# KiCad board Accumulator.kicad_pcb (continued)
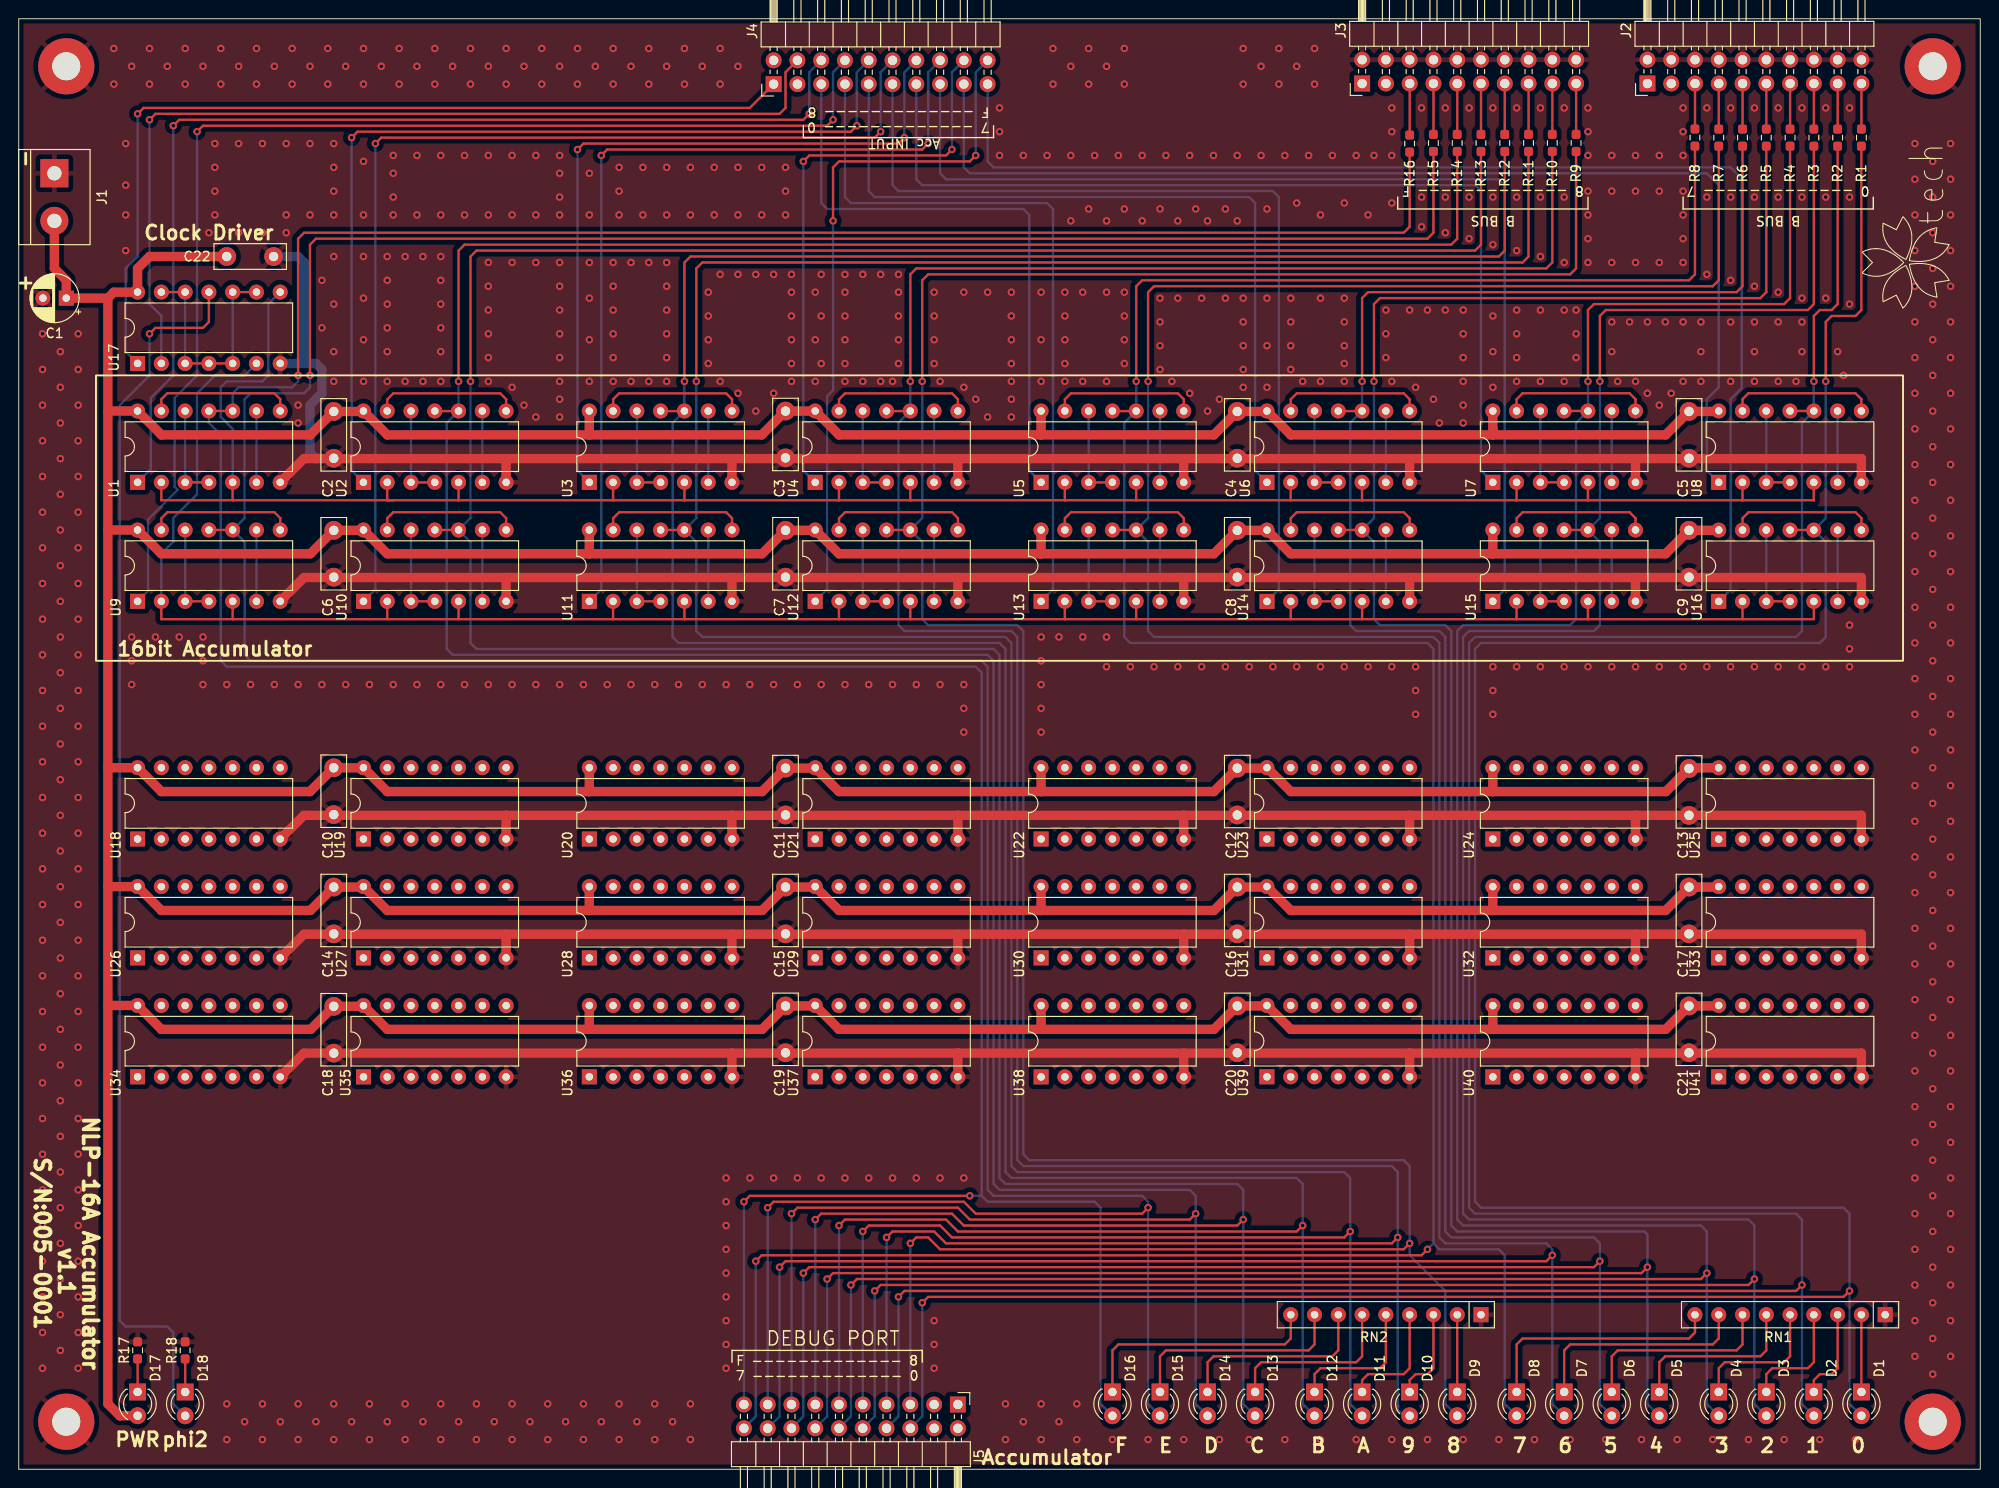
[diagram p0: board, top side]
## Routing (per net, layer and track width the routed paths; a pad name or vN(x,y) marks a point on that pad's centre or on a via; arc(x,y) is an arc through that point)
GND: length 967.3
  Top w1: 76.2,92.71 76.2,95.24 76.2,95.25 ; 148.59,57.15 148.59,57.14 U31.7 ; 148.59,57.15 172.72,57.15 ; 148.59,57.15 124.46,57.15 ; U19.7 52.06,69.84 52.07,69.85 ; 172.72,95.25 172.72,95.24 U15.7 ; 172.72,95.25 196.85,95.25 U16.7 ; 172.72,95.25 148.59,95.25 ; 52.07,57.15 76.2,57.15 ; 52.07,57.15 52.06,57.14 U27.7 ; 52.07,57.15 30.47,57.15 U26.7 ; 76.2,57.15 100.33,57.15 ; 76.2,57.15 76.2,57.14 76.2,54.62 ; U13.7 124.46,95.24 124.46,95.25 ; 76.2,95.25 100.33,95.25 ; 76.2,95.25 52.07,95.25 ; 100.33,95.25 124.46,95.25 ; 100.33,95.25 100.32,95.24 100.32,92.71 ; U6.7 148.59,107.94 148.59,107.95 ; 124.46,69.85 124.46,69.84 U22.7 ; 124.46,69.85 100.33,69.85 ; 124.46,69.85 148.59,69.85 ; 124.46,107.95 124.46,107.94 U5.7 ; 124.46,107.95 100.33,107.95 ; 124.46,107.95 148.59,107.95 ; U40.7 172.72,44.45 ; 172.72,44.45 196.85,44.45 196.84,44.44 U41.7 ; 172.72,44.45 148.59,44.45 ; 52.07,95.25 30.47,95.25 U9.7 ; 52.07,95.25 U10.7 ; 172.72,107.95 196.85,107.95 196.84,107.94 U8.7 ; 172.72,107.95 148.59,107.95 ; 172.72,107.95 172.72,107.94 U7.7 ; 100.33,107.95 100.32,107.94 100.32,105.42 ; 100.33,107.95 76.2,107.95 ; 52.07,69.85 76.2,69.85 ; 52.07,69.85 30.47,69.85 U18.7 ; 76.2,69.85 100.33,69.85 ; 76.2,69.85 76.2,69.84 76.2,67.32 ; 124.46,44.45 148.59,44.45 ; 124.46,44.45 100.33,44.45 ; 124.46,44.45 U38.7 ; 148.59,44.45 148.59,44.44 U39.7 ; 148.59,95.25 U14.7 ; 148.59,95.25 124.46,95.25 ; 76.2,44.45 100.33,44.45 ; 76.2,44.45 76.2,44.44 76.2,41.92 ; 76.2,44.45 30.47,44.45 U34.7 ; 100.33,44.45 100.32,44.44 100.32,41.92 ; 148.59,69.85 172.72,69.85 ; 148.59,69.85 148.59,69.84 U23.7 ; 172.72,69.85 196.85,69.85 196.84,69.84 U25.7 ; 172.72,69.85 172.72,69.21 172.72,69.21 U24.7 ; U30.7 124.46,57.14 124.46,57.15 ; 100.33,57.15 124.46,57.15 ; 100.33,57.15 100.32,57.14 100.32,54.62 ; 100.33,69.85 U21.7 ; 52.07,107.95 76.2,107.95 ; 52.07,107.95 30.47,107.95 U1.7 ; 52.07,107.95 52.06,107.94 U2.7 ; 76.2,107.95 76.2,107.94 76.2,105.42 ; 172.72,57.15 172.72,57.14 U32.7 ; 172.72,57.15 196.85,57.15 196.84,57.14 U33.7
  Bottom w1: U17.7 30.49,118.12 ; 30.49,118.12 31.74,118.12 32.39,117.47 32.39,114.93 31.11,113.66 31.11,108.58 31.75,107.95 31.79,107.99 C2.2 ; 30.49,118.12 30.49,128.89 29.84,129.54 C22.2
  vias: v1(2.54,121.28) v1(2.54,117.47) v1(2.54,113.66) v1(2.54,109.85) v1(2.54,106.04) v1(2.54,102.23) v1(2.54,98.42) v1(2.54,94.61) v1(2.54,90.8) v1(2.54,86.99) v1(2.54,83.18) v1(2.54,79.37) v1(2.54,75.56) v1(2.54,71.75) v1(2.54,67.94) v1(2.54,64.13) v1(2.54,60.32) v1(2.54,56.51) v1(2.54,52.7) v1(2.54,48.89) v1(2.54,45.08) v1(2.54,41.27) v1(2.54,37.46) v1(2.54,33.66) v1(2.54,29.84) v1(2.54,26.03) v1(2.54,22.22) v1(2.54,18.41) v1(2.54,14.6) v1(2.54,10.79) v1(4.45,119.38) v1(4.45,115.57) v1(4.45,111.76) v1(4.45,107.95) v1(4.45,104.14) v1(4.45,100.33) v1(4.45,96.52) v1(4.45,92.71) v1(4.45,88.9) v1(4.45,85.09) v1(4.45,81.28) v1(4.45,77.47) v1(4.45,73.66) v1(4.45,69.85) v1(4.45,66.04) v1(4.45,62.23) v1(4.45,58.42) v1(4.45,54.61) v1(4.45,50.8) v1(4.45,46.99) v1(4.45,43.18) v1(4.45,39.37) v1(4.45,35.56) v1(4.45,31.75) v1(4.45,27.94) v1(4.45,24.13) v1(4.45,20.32) v1(4.45,16.51) v1(4.45,12.7) v1(6.35,121.28) v1(6.35,117.47) v1(6.35,113.66) v1(6.35,109.85) v1(6.35,106.04) v1(6.35,102.23) v1(6.35,98.42) v1(6.35,94.61) v1(6.35,90.8) v1(6.35,86.99) v1(6.35,83.18) v1(6.35,79.37) v1(6.35,75.56) v1(6.35,71.75) v1(6.35,67.94) v1(6.35,64.13) v1(6.35,60.32) v1(6.35,56.51) v1(6.35,52.7) v1(6.35,48.89) v1(6.35,45.08) v1(6.35,41.27) v1(6.35,37.46) v1(6.35,33.66) v1(6.35,29.84) v1(6.35,26.03) v1(6.35,22.22) v1(6.35,18.41) v1(6.35,14.6) v1(6.35,10.79) v1(10.16,151.76) v1(10.16,147.95) v1(11.43,141.6) v1(11.43,137.16) v1(11.43,133.98) v1(11.43,130.17) v1(12.06,149.86) v1(12.06,88.9) v1(12.06,86.36) v1(12.06,83.82) v1(13.97,151.76) v1(13.97,147.95) v1(14.61,88.9) v1(15.88,149.86) v1(17.15,88.9) v1(17.78,151.76) v1(17.78,147.95) v1(19.69,149.86) v1(19.69,88.9) v1(19.69,86.36) v1(19.69,83.82) v1(20.32,132.08) v1(20.95,141.6) v1(20.95,139.06) v1(20.95,136.52) v1(20.95,133.98) v1(21.59,151.76) v1(21.59,147.95) v1(22.22,83.82) v1(22.22,6.98) v1(22.22,3.17) v1(23.5,149.86) v1(23.5,141.6) v1(23.5,132.08) v1(24.13,5.08) v1(24.77,83.82) v1(25.4,151.76) v1(25.4,147.95) v1(26.03,141.6) v1(26.03,132.08) v1(26.03,6.98) v1(26.03,3.17) v1(27.31,149.86) v1(27.31,83.82) v1(27.94,5.08) v1(28.58,141.6) v1(28.58,133.98) v1(28.58,132.08) v1(29.21,151.76) v1(29.21,147.95) v1(29.84,113.66) v1(29.84,111.76) v1(29.84,83.82) v1(29.84,6.98) v1(29.84,3.17) v1(31.11,149.86) v1(31.11,141.6) v1(31.11,133.98) v1(31.75,5.08) v1(32.39,127) v1(32.39,121.92) v1(32.39,83.82) v1(33.02,151.76) v1(33.02,147.95) v1(33.66,141.6) v1(33.66,139.06) v1(33.66,136.52) v1(33.66,133.98) v1(33.66,129.54) v1(33.66,124.46) v1(33.66,119.38) v1(33.66,116.2) v1(33.66,6.98) v1(33.66,3.17) v1(34.92,149.86) v1(34.92,83.82) v1(35.56,5.08) v1(36.83,151.76) v1(36.83,147.95) v1(36.83,139.7) v1(36.83,133.98) v1(36.83,129.54) v1(36.83,125.09) v1(36.83,120.65) v1(36.83,116.2) v1(37.47,83.82) v1(37.47,6.98) v1(37.47,3.17) v1(38.73,149.86) v1(39.37,129.54) v1(39.37,127) v1(39.37,124.46) v1(39.37,121.92) v1(39.37,119.38) v1(39.37,116.2) v1(39.37,5.08) v1(40,140.33) v1(40,138.43) v1(40,135.89) v1(40,133.98) v1(40,83.82) v1(40.64,151.76) v1(40.64,147.95) v1(41.28,129.54) v1(41.28,116.2) v1(41.28,6.98) v1(41.28,3.17) v1(42.55,149.86) v1(42.55,140.33) v1(42.55,133.98) v1(42.55,83.82) v1(43.18,129.54) v1(43.18,116.2) v1(43.18,5.08) v1(44.45,151.76) v1(44.45,147.95) v1(45.09,140.33) v1(45.09,133.98) v1(45.09,129.54) v1(45.09,127) v1(45.09,124.46) v1(45.09,121.92) v1(45.09,119.38) v1(45.09,116.2) v1(45.09,83.82) v1(45.09,6.98) v1(45.09,3.17) v1(46.36,149.86) v1(46.99,5.08) v1(47.62,140.33) v1(47.62,133.98) v1(47.62,83.82) v1(48.26,151.76) v1(48.26,147.95) v1(48.89,6.98) v1(48.89,3.17) v1(50.17,149.86) v1(50.17,140.33) v1(50.17,133.98) v1(50.17,128.9) v1(50.17,126.36) v1(50.17,123.82) v1(50.17,121.28) v1(50.17,118.74) v1(50.17,116.2) v1(50.17,83.82) v1(50.8,5.08) v1(52.07,151.76) v1(52.07,147.95) v1(52.7,140.33) v1(52.7,133.98) v1(52.7,128.9) v1(52.7,115.57) v1(52.7,83.82) v1(52.7,6.98) v1(52.7,3.17) v1(53.97,149.86) v1(53.97,113.66) v1(54.61,5.08) v1(55.25,140.33) v1(55.25,133.98) v1(55.25,128.9) v1(55.25,112.39) v1(55.25,83.82) v1(55.88,151.76) v1(55.88,147.95) v1(56.52,6.98) v1(56.52,3.17) v1(57.78,149.86) v1(57.78,140.33) v1(57.78,138.43) v1(57.78,135.89) v1(57.78,133.98) v1(57.78,128.9) v1(57.78,126.36) v1(57.78,123.82) v1(57.78,121.28) v1(57.78,118.74) v1(57.78,116.2) v1(57.78,114.3) v1(57.78,112.39) v1(57.78,83.82) v1(58.42,5.08) v1(59.69,151.76) v1(59.69,147.95) v1(60.33,83.82) v1(60.33,6.98) v1(60.33,3.17) v1(60.96,138.43) v1(60.96,133.98) v1(60.96,128.9) v1(60.96,125.09) v1(60.96,120.65) v1(60.96,116.2) v1(61.59,149.86) v1(62.23,5.08) v1(62.86,83.82) v1(63.5,151.76) v1(63.5,147.95) v1(63.5,128.9) v1(63.5,126.36) v1(63.5,123.82) v1(63.5,121.28) v1(63.5,118.74) v1(63.5,116.2) v1(64.14,139.06) v1(64.14,136.52) v1(64.14,133.98) v1(64.14,6.98) v1(64.14,3.17) v1(65.41,149.86) v1(65.41,128.9) v1(65.41,116.2) v1(65.41,83.82) v1(66.04,5.08) v1(66.67,139.06) v1(66.67,133.98) v1(67.31,151.76) v1(67.31,147.95) v1(67.31,128.9) v1(67.31,116.2) v1(67.95,83.82) v1(67.95,6.98) v1(67.95,3.17) v1(69.22,149.86) v1(69.22,139.06) v1(69.22,133.98) v1(69.22,128.9) v1(69.22,126.36) v1(69.22,123.82) v1(69.22,121.28) v1(69.22,118.74) v1(69.22,116.2) v1(69.85,5.08) v1(70.48,83.82) v1(71.12,151.76) v1(71.12,147.95) v1(71.75,139.06) v1(71.75,133.98) v1(71.75,6.98) v1(71.75,3.17) v1(73.03,149.86) v1(73.03,83.82) v1(73.66,125.73) v1(73.66,123.19) v1(73.66,120.65) v1(73.66,118.11) v1(74.3,139.06) v1(74.3,133.98) v1(74.93,151.76) v1(74.93,147.95) v1(74.93,127.63) v1(74.93,116.2) v1(75.56,83.82) v1(75.56,31.11) v1(75.56,28.57) v1(75.56,26.03) v1(75.56,23.49) v1(75.56,20.95) v1(75.56,18.41) v1(75.56,15.88) v1(75.56,13.33) v1(75.56,10.79) v1(76.84,149.86) v1(76.84,139.06) v1(76.84,133.98) v1(76.84,127.63) v1(76.84,114.93) v1(78.11,83.82) v1(78.11,31.11) v1(78.74,127.63) v1(78.74,113.03) v1(79.38,139.06) v1(79.38,133.98) v1(80.64,127.63) v1(80.64,114.93) v1(80.64,83.82) v1(80.64,31.11) v1(81.92,139.06) v1(81.92,136.52) v1(81.92,133.98) v1(82.55,127.63) v1(82.55,125.73) v1(82.55,123.19) v1(82.55,120.65) v1(82.55,118.11) v1(82.55,116.2) v1(83.19,83.82) v1(83.19,31.11) v1(85.09,125.73) v1(85.09,120.65) v1(85.09,116.2) v1(85.72,127.63) v1(85.72,123.19) v1(85.72,118.11) v1(85.72,83.82) v1(85.72,31.11) v1(88.27,127.63) v1(88.27,125.73) v1(88.27,123.19) v1(88.27,120.65) v1(88.27,118.11) v1(88.27,116.2) v1(88.27,83.82) v1(88.27,31.11) v1(90.17,127.63) v1(90.17,116.2) v1(90.81,83.82) v1(90.81,31.11) v1(92.07,127.63) v1(92.07,116.2) v1(93.34,116.2) v1(93.34,83.82) v1(93.34,31.11) v1(93.98,127.63) v1(93.98,125.73) v1(93.98,123.19) v1(93.98,120.65) v1(93.98,118.11) v1(95.88,83.82) v1(95.88,31.11) v1(97.79,125.73) v1(97.79,123.19) v1(97.79,120.65) v1(97.79,118.11) v1(97.79,15.88) v1(97.79,13.33) v1(97.79,10.79) v1(98.43,116.2) v1(98.43,83.82) v1(98.43,31.11) v1(100.97,125.73) v1(100.97,115.57) v1(100.97,83.82) v1(100.97,81.28) v1(100.97,78.74) v1(100.97,31.11) v1(102.24,114.3) v1(103.5,125.73) v1(103.5,112.39) v1(104.78,145.41) v1(104.78,142.88) v1(104.78,140.33) v1(105.41,6.98) v1(105.41,3.17) v1(106.04,125.73) v1(106.04,123.19) v1(106.04,120.65) v1(106.04,118.11) v1(106.04,116.2) v1(106.04,114.3) v1(106.04,112.39) v1(107.31,140.33) v1(107.31,5.08) v1(109.22,125.73) v1(109.22,120.65) v1(109.22,116.2) v1(109.22,88.9) v1(109.22,86.36) v1(109.22,83.82) v1(109.22,81.28) v1(109.22,78.74) v1(109.22,6.98) v1(109.22,3.17) v1(109.85,140.33) v1(110.49,151.76) v1(110.49,147.95) v1(111.12,88.9) v1(111.12,5.08) v1(111.76,125.73) v1(111.76,123.19) v1(111.76,120.65) v1(111.76,118.11) v1(111.76,116.2) v1(112.4,149.86) v1(112.4,140.33) v1(112.4,133.35) v1(113.03,6.98) v1(113.03,3.17) v1(113.66,125.73) v1(113.66,116.2) v1(113.66,88.9) v1(114.3,151.76) v1(114.3,147.95) v1(114.3,134.62) v1(114.94,140.33) v1(116.21,149.86) v1(116.21,133.35) v1(116.21,125.73) v1(116.21,116.2) v1(116.21,88.9) v1(116.21,85.72) v1(116.84,3.17) v1(117.47,140.33) v1(118.11,151.76) v1(118.11,147.95) v1(118.11,134.62) v1(118.11,125.73) v1(118.11,123.19) v1(118.11,120.65) v1(118.11,118.11) v1(118.75,85.72) v1(120.02,140.33) v1(120.02,133.35) v1(120.65,3.17) v1(121.28,85.72) v1(121.92,134.62) v1(121.92,125.09) v1(121.92,122.55) v1(121.92,120.01) v1(121.92,117.47) v1(122.56,140.33) v1(123.19,116.2) v1(123.82,133.35) v1(123.82,125.09) v1(123.82,85.72) v1(124.46,3.17) v1(125.09,140.33) v1(125.09,114.93) v1(125.73,134.62) v1(126.37,125.09) v1(126.37,85.72) v1(127,133.35) v1(127,113.03) v1(127.63,140.33) v1(128.27,114.3) v1(128.27,3.17) v1(128.91,134.62) v1(128.91,125.09) v1(128.91,85.72) v1(130.18,140.33) v1(130.18,133.35) v1(130.81,151.76) v1(130.81,147.95) v1(130.81,125.09) v1(130.81,122.55) v1(130.81,120.01) v1(130.81,117.47) v1(130.81,115.57) v1(131.44,85.72) v1(131.44,3.17) v1(132.72,149.86) v1(132.72,140.33) v1(133.35,134.62) v1(133.35,125.09) v1(133.35,120.01) v1(133.35,115.57) v1(133.99,85.72) v1(134.62,151.76) v1(134.62,147.95) v1(135.25,140.33) v1(135.25,3.17) v1(135.89,125.09) v1(135.89,122.55) v1(135.89,120.01) v1(135.89,117.47) v1(136.53,149.86) v1(136.53,135.25) v1(136.53,85.72) v1(137.16,116.2) v1(137.79,140.33) v1(138.43,151.76) v1(138.43,147.95) v1(139.06,133.98) v1(139.06,125.09) v1(139.06,116.2) v1(139.06,85.72) v1(139.06,3.17) v1(140.34,140.33) v1(141.6,135.25) v1(141.6,125.09) v1(141.6,122.55) v1(141.6,120.01) v1(141.6,118.11) v1(141.6,116.2) v1(141.6,85.72) v1(142.88,140.33) v1(142.88,3.17) v1(144.15,133.98) v1(144.15,85.72) v1(144.78,140.33) v1(146.05,123.82) v1(146.05,121.28) v1(146.05,118.74) v1(146.69,145.41) v1(146.69,142.88) v1(146.69,140.33) v1(146.69,135.25) v1(146.69,116.2) v1(146.69,85.72) v1(146.69,3.17) v1(148.59,123.82) v1(149.22,115.57) v1(149.22,85.72) v1(149.22,83.18) v1(149.22,80.64) v1(149.86,145.41) v1(149.86,135.89) v1(149.86,132.71) v1(150.5,123.82) v1(150.5,3.17) v1(151.13,114.3) v1(151.77,111.76) v1(152.4,145.41) v1(152.4,135.89) v1(152.4,132.08) v1(152.4,123.82) v1(154.31,123.82) v1(154.31,121.28) v1(154.31,118.74) v1(154.31,116.2) v1(154.31,113.66) v1(154.31,111.76) v1(154.31,3.17) v1(154.94,145.41) v1(154.94,135.89) v1(154.94,131.44) v1(157.48,145.41) v1(157.48,135.89) v1(157.48,130.81) v1(157.48,123.19) v1(157.48,119.38) v1(157.48,115.57) v1(157.48,85.72) v1(157.48,83.18) v1(157.48,80.64) v1(158.12,3.17) v1(160.02,145.41) v1(160.02,135.89) v1(160.02,130.17) v1(160.02,123.82) v1(160.02,121.28) v1(160.02,118.74) v1(160.02,116.2) v1(160.02,85.72) v1(161.93,3.17) v1(162.56,145.41) v1(162.56,135.89) v1(162.56,129.54) v1(162.56,123.82) v1(162.56,116.2) v1(162.56,85.72) v1(165.1,145.41) v1(165.1,135.89) v1(165.1,128.9) v1(165.1,123.82) v1(165.1,116.2) v1(165.1,85.72) v1(165.74,3.17) v1(166.37,123.82) v1(166.37,121.28) v1(166.37,118.74) v1(167.64,145.41) v1(167.64,142.88) v1(167.64,140.33) v1(167.64,136.52) v1(167.64,133.98) v1(167.64,131.44) v1(167.64,128.9) v1(167.64,85.72) v1(169.54,3.17) v1(170.18,140.33) v1(170.18,136.52) v1(170.18,128.9) v1(170.18,122.55) v1(170.18,119.38) v1(170.18,85.72) v1(170.81,116.2) v1(172.09,122.55) v1(172.72,140.33) v1(172.72,136.52) v1(172.72,128.9) v1(172.72,116.2) v1(172.72,85.72) v1(173.35,3.17) v1(173.99,122.55) v1(173.99,114.93) v1(175.26,140.33) v1(175.26,136.52) v1(175.26,128.9) v1(175.26,113.66) v1(175.26,85.72) v1(175.9,122.55) v1(176.53,114.93) v1(177.16,3.17) v1(177.8,145.41) v1(177.8,142.88) v1(177.8,140.33) v1(177.8,136.52) v1(177.8,133.98) v1(177.8,131.44) v1(177.8,128.9) v1(177.8,122.55) v1(177.8,116.2) v1(177.8,85.72) v1(179.71,122.55) v1(179.71,119.38) v1(179.71,116.2) v1(180.34,145.41) v1(180.34,135.89) v1(180.34,127.63) v1(180.34,85.72) v1(180.97,3.17) v1(182.88,145.41) v1(182.88,135.89) v1(182.88,127) v1(182.88,122.55) v1(182.88,116.2) v1(182.88,85.72) v1(184.78,3.17) v1(185.42,145.41) v1(185.42,135.89) v1(185.42,126.36) v1(185.42,122.55) v1(185.42,119.38) v1(185.42,116.2) v1(185.42,85.72) v1(187.96,145.41) v1(187.96,135.89) v1(187.96,125.73) v1(187.96,122.55) v1(187.96,116.2) v1(187.96,85.72) v1(188.59,3.17) v1(189.87,116.2) v1(190.5,145.41) v1(190.5,135.89) v1(190.5,125.09) v1(190.5,122.55) v1(190.5,119.38) v1(190.5,85.72) v1(192.41,3.17) v1(193.04,145.41) v1(193.04,135.89) v1(193.04,125.09) v1(193.04,85.72) v1(194.31,119.38) v1(194.94,116.84) v1(195.58,145.41) v1(195.58,135.89) v1(195.58,124.46) v1(195.58,90.17) v1(195.58,87.63) v1(195.58,85.72) v1(196.22,3.17) v1(202.56,141.6) v1(202.56,137.79) v1(202.56,133.98) v1(202.56,130.17) v1(202.56,126.36) v1(202.56,122.55) v1(202.56,118.74) v1(202.56,114.93) v1(202.56,111.12) v1(202.56,107.31) v1(202.56,103.5) v1(202.56,99.69) v1(202.56,95.88) v1(202.56,92.07) v1(202.56,88.26) v1(202.56,84.45) v1(202.56,80.64) v1(202.56,76.83) v1(202.56,73.02) v1(202.56,69.21) v1(202.56,65.4) v1(202.56,61.59) v1(202.56,57.78) v1(202.56,53.97) v1(202.56,50.16) v1(202.56,46.35) v1(202.56,42.54) v1(202.56,38.73) v1(202.56,34.92) v1(202.56,31.11) v1(202.56,27.3) v1(202.56,23.49) v1(202.56,19.69) v1(202.56,15.88) v1(202.56,12.06) v1(204.47,139.7) v1(204.47,135.89) v1(204.47,132.08) v1(204.47,128.27) v1(204.47,124.46) v1(204.47,120.65) v1(204.47,116.84) v1(204.47,113.03) v1(204.47,109.22) v1(204.47,105.41) v1(204.47,101.6) v1(204.47,97.79) v1(204.47,93.98) v1(204.47,90.17) v1(204.47,86.36) v1(204.47,82.55) v1(204.47,78.74) v1(204.47,74.93) v1(204.47,71.12) v1(204.47,67.31) v1(204.47,63.5) v1(204.47,59.69) v1(204.47,55.88) v1(204.47,52.07) v1(204.47,48.26) v1(204.47,44.45) v1(204.47,40.64) v1(204.47,36.83) v1(204.47,33.02) v1(204.47,29.21) v1(204.47,25.4) v1(204.47,21.59) v1(204.47,17.78) v1(204.47,13.97) v1(204.47,10.16) v1(206.38,141.6) v1(206.38,137.79) v1(206.38,133.98) v1(206.38,130.17) v1(206.38,126.36) v1(206.38,122.55) v1(206.38,118.74) v1(206.38,114.93) v1(206.38,111.12) v1(206.38,107.31) v1(206.38,103.5) v1(206.38,99.69) v1(206.38,95.88) v1(206.38,92.07) v1(206.38,88.26) v1(206.38,84.45) v1(206.38,80.64) v1(206.38,76.83) v1(206.38,73.02) v1(206.38,69.21) v1(206.38,65.4) v1(206.38,61.59) v1(206.38,57.78) v1(206.38,53.97) v1(206.38,50.16) v1(206.38,46.35) v1(206.38,42.54) v1(206.38,38.73) v1(206.38,34.92) v1(206.38,31.11) v1(206.38,27.3) v1(206.38,23.49) v1(206.38,19.69) v1(206.38,15.88) v1(206.38,12.06)
VCC: length 1093.2
  Top w1: 9.52,125.09 9.52,113.03 ; 9.52,125.09 10.16,125.73 12.69,125.73 U17.14 12.7,128.26 13.97,129.54 C22.1 ; 9.52,125.09 C1.1 5.08,127 3.81,128.27 J1.2 ; 9.52,113.03 9.52,100.33 ; 9.52,113.03 9.54,113.04 U1.14 15.24,110.49 15.24,110.49 31.16,110.49 C2.1 36.78,112.99 U2.14 39.37,110.49 39.37,110.49 60.96,110.49 ; 157.48,72.39 157.47,72.39 U24.14 ; 157.48,72.39 135.9,72.39 U23.14 133.29,74.89 C12.1 127.68,72.39 109.22,72.39 ; 157.48,72.39 175.97,72.39 177.52,73.94 ; D17.2 10.8,5.72 10.8,5.71 9.52,6.98 9.52,62.23 ; U36.14 60.95,46.99 60.96,46.99 ; 60.96,59.69 60.95,59.69 60.95,62.24 ; 60.96,59.69 39.38,59.69 36.83,62.24 36.78,62.19 C14.1 31.16,59.69 15.24,59.69 15.24,59.69 12.7,62.24 9.54,62.24 9.52,62.23 ; 60.96,59.69 79.42,59.69 C15.1 85.03,62.19 85.09,62.24 87.63,59.69 109.22,59.69 ; 109.22,110.49 87.63,110.49 87.63,110.49 U4.14 85.07,113.03 C3.1 79.38,110.49 60.96,110.49 ; 109.22,110.49 127.68,110.49 C4.1 133.29,112.99 U6.14 135.89,110.49 135.89,110.49 157.48,110.49 ; 109.22,110.49 109.22,110.49 U5.14 ; 60.96,110.49 60.95,110.49 U3.14 ; 157.48,59.69 175.94,59.69 C17.1 181.56,62.19 181.6,62.24 ; 157.48,59.69 157.47,59.69 157.47,62.24 ; 157.48,59.69 135.89,59.69 135.89,59.69 133.34,62.24 133.29,62.19 C16.1 127.68,59.69 109.22,59.69 ; 157.48,97.79 135.88,97.79 U14.14 133.32,100.29 C8.1 127.68,97.79 109.22,97.79 ; 157.48,97.79 175.94,97.79 C9.1 181.58,100.29 U16.14 ; 157.48,97.79 157.47,97.79 157.47,100.33 ; 109.22,59.69 109.22,59.69 109.22,62.24 ; 157.48,46.99 175.94,46.99 C21.1 181.56,49.49 U41.14 ; 157.48,46.99 U40.14 ; 157.48,46.99 135.89,46.99 135.89,46.99 U39.14 133.29,49.49 C20.1 127.68,46.99 109.22,46.99 ; 60.96,97.79 79.42,97.79 C7.1 85.04,100.29 85.09,100.33 87.62,97.79 109.22,97.79 ; 60.96,97.79 39.37,97.79 36.83,100.33 36.79,100.29 C6.1 31.16,97.79 15.23,97.79 12.7,100.33 9.52,100.33 ; 60.96,97.79 60.95,97.79 60.95,100.33 ; 109.22,100.33 109.22,97.79 109.22,97.79 ; 9.52,62.23 9.52,74.93 ; 157.48,110.49 157.48,111.12 157.47,111.13 U7.14 ; 157.48,110.49 175.94,110.49 C5.1 181.56,112.99 U8.14 ; U38.14 109.22,46.99 ; 109.22,46.99 87.63,46.99 87.63,46.99 U37.14 85.03,49.49 C19.1 79.42,46.99 60.96,46.99 ; 9.52,74.93 9.54,74.94 U18.14 15.24,72.39 15.24,72.39 31.11,72.39 C10.1 36.81,74.93 U19.14 39.37,72.39 39.37,72.39 60.96,72.39 ; 9.52,74.93 9.52,100.33 ; U25.14 178.52,74.93 177.52,73.94 ; 60.96,72.39 79.42,72.39 C11.1 85.05,74.89 U21.14 87.63,72.39 109.22,72.39 ; 60.96,72.39 60.95,72.39 U20.14 ; 177.52,73.94 C13.1 ; 60.96,46.99 39.37,46.99 U35.14 36.75,49.45 C18.1 31.2,46.99 15.24,46.99 15.24,46.99 U34.14 9.52,49.54 ; 109.22,72.39 109.22,72.39 U22.14